# Altium PCB STM32最小系统.PcbDoc (part 1 of 4) (continued)
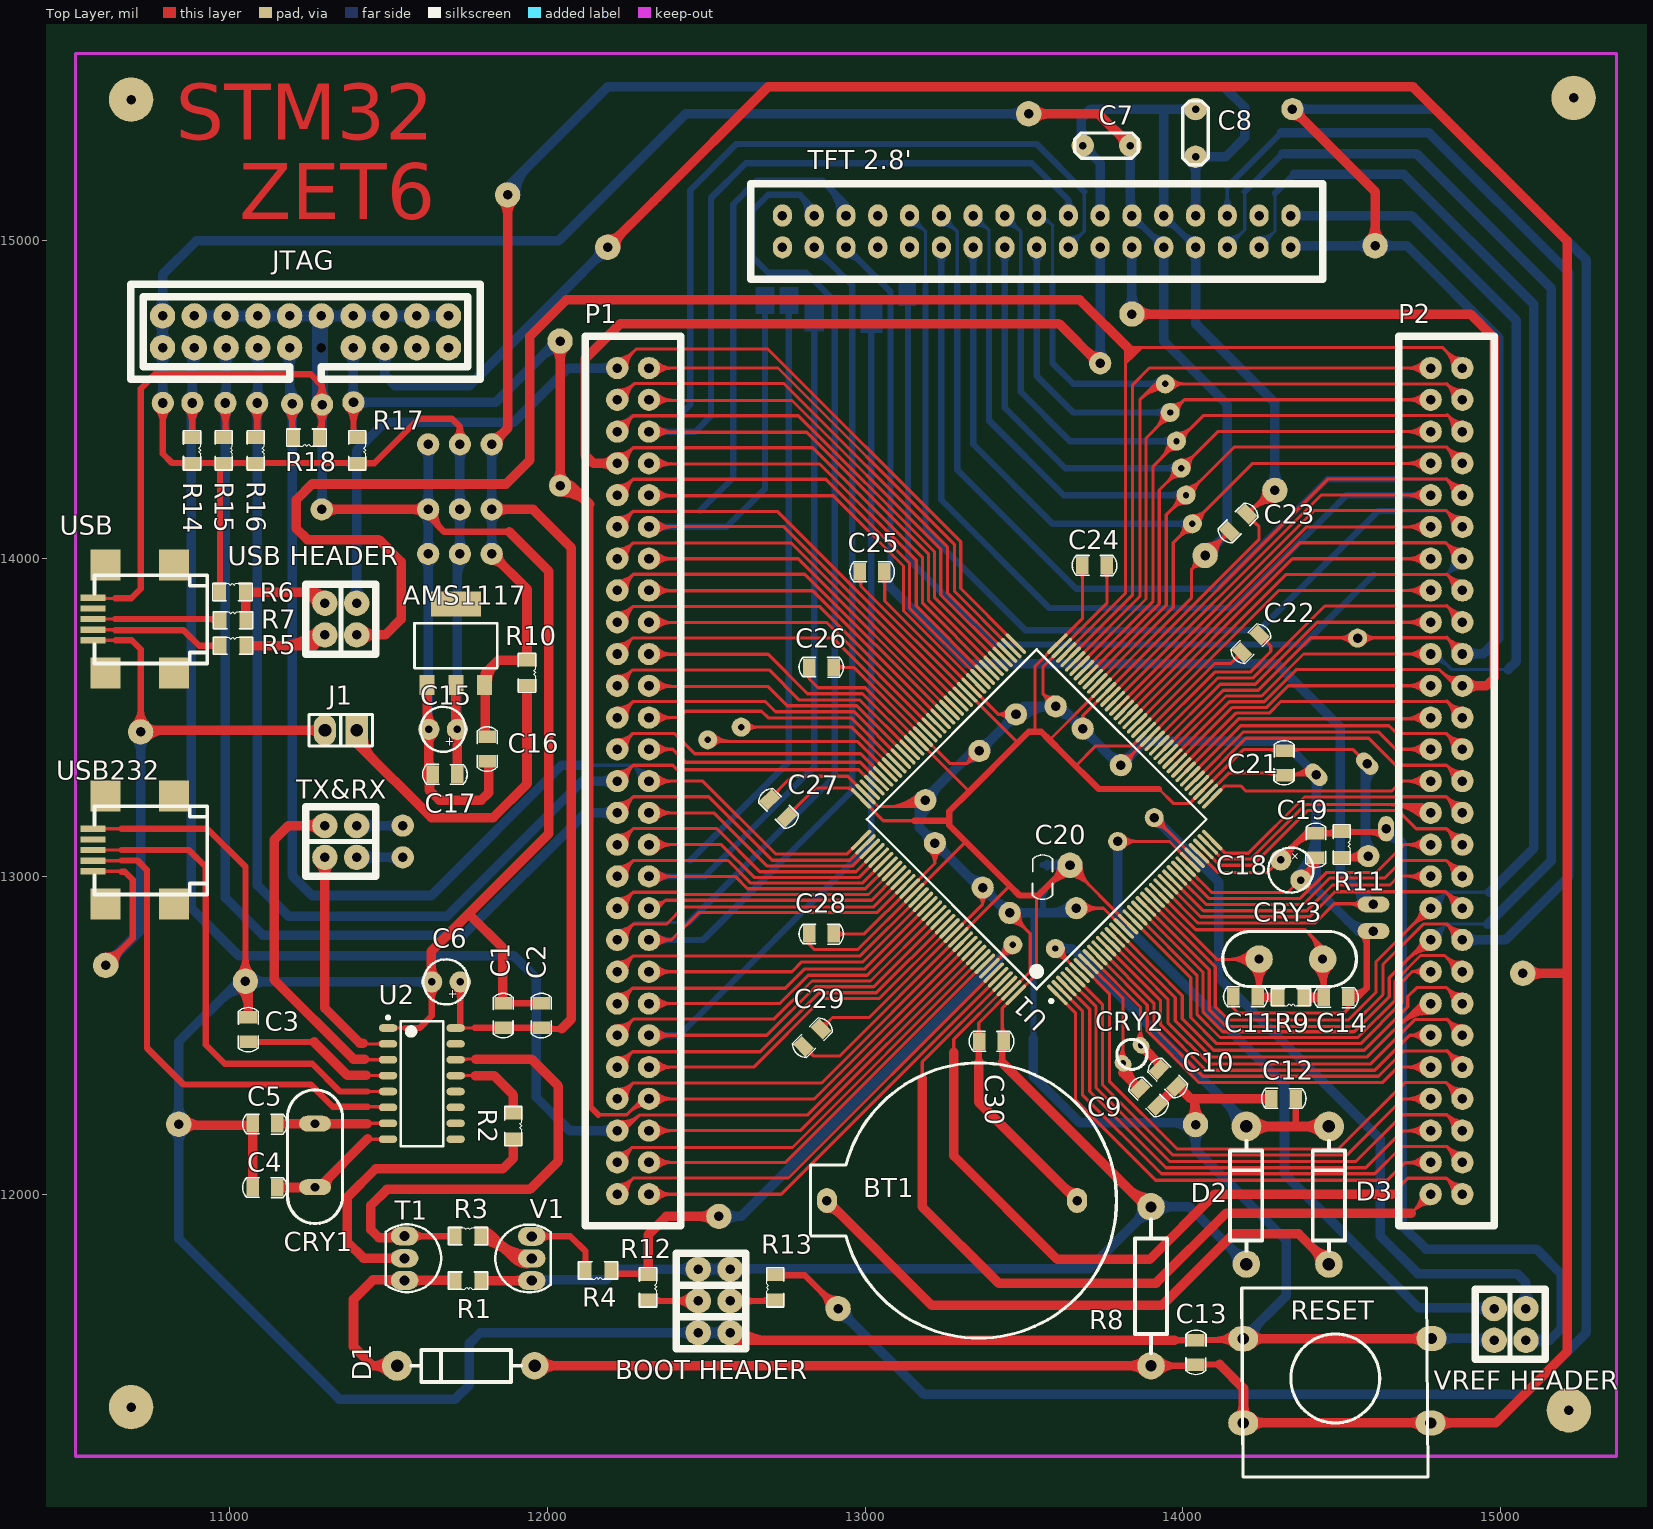
[diagram p0: Top Layer view]
## Nets (pads, with @x,y where several pads share a name; then routed paths per layer and width w, separated by ;. In a path a pad name is that pad's centre, name@x,y a point inside that pad or via, vN(x,y) a via of type N, cw(c..) or ccw(c..) an arc to the next point about the centre after c; other vN are vias at no path point) (continued)
"CH340 D+": U2.5 USB232.3 | length 1680.8
  Top Layer w10: USB232.3@10570,13083 10660,13083 10678,13083 ; 11433,12323 U2.5@11498.7,12323 ; 10611.22,13083 cw(c10611.22,13094.69) 10602.95,13086.42 ccw(c10611.22,13094.69) 10611.22,13083 ; 10611.22,13083 ccw(c10611.22,13071.31) 10602.95,13079.58 cw(c10611.22,13071.31) 10611.22,13083 ; 11464.8,12323 cw(c11464.8,12306.1) 11476.75,12318.05 ccw(c11464.8,12306.1) 11464.8,12323 ; 11464.8,12323 ccw(c11464.8,12339.9) 11476.75,12327.95 cw(c11464.8,12339.9) 11464.8,12323
  Top Layer w20: 10660,13083 10872,13083 10925,13030 10925,12470 10985,12410 11260,12410 11347,12323 11433,12323 ; U2.5@11497.7,12324 U2.5@11498.7,12323
"CH340 D-": U2.6 USB232.2 | length 1662.6
  Top Layer w10: USB232.2@10570,13049.54 10655,13049.54 ; 11435,12275 U2.6@11498.7,12275 ; 10611.22,13049.54 cw(c10611.22,13061.23) 10602.95,13052.96 ccw(c10611.22,13061.23) 10611.22,13049.54 ; 10611.22,13049.54 ccw(c10611.22,13037.84) 10602.95,13046.11 cw(c10611.22,13037.84) 10611.22,13049.54 ; 11459.97,12275 cw(c11459.97,12251.27) 11476.75,12268.05 ccw(c11459.97,12251.27) 11459.97,12275 ; 11469.63,12275 ccw(c11469.63,12285.07) 11476.75,12277.95 cw(c11469.63,12285.07) 11469.63,12275
  Top Layer w20: 10660,13050 10710,13050 10740,13020 10740,12460 10855,12345 11255,12345 11325,12275 11435,12275
"FSMC A10": "TFT 2.8'.2" P2.41 U1.56 | length 4846.4
  Top Layer w10: U1.56@13828.13,13509.89 14368.24,14050 14828,14050 14878,14000 P2.41@14900,14000 ; 14829,14049 ccw(c14875.16,14095.16) 14878.48,14029.96 cw(c14875.16,14095.16) 14829,14049 ; 14830.2,14047.8 cw(c14782.4,14000) 14850,14000 ccw(c14782.4,14000) 14830.2,14047.8 ; 14844.92,14033.08 ccw(c14876.7,14064.87) 14878.98,14019.97 cw(c14876.7,14064.87) 14844.92,14033.08 ; 14847.27,14030.73 cw(c14816.54,14000) 14860,14000 ccw(c14816.54,14000) 14847.27,14030.73
  Bottom Layer w10: 14595,13950 14600,13950 14830,13950 ; P2.41@14880,14000 14830,13950 ; 14830,13950 cw(c14878.31,13901.69) 14879.49,13970 ccw(c14878.31,13901.69) 14830,13950 ; 14830,13950 ccw(c14781.69,13998.31) 14850,13999.49 cw(c14781.69,13998.31) 14830,13950 ; 14846.67,13966.67 cw(c14878.88,13934.46) 14879.66,13980 ccw(c14878.88,13934.46) 14846.67,13966.67 ; 14846.67,13966.67 ccw(c14814.46,13998.88) 14860,13999.66 cw(c14814.46,13998.88) 14846.67,13966.67
  Bottom Layer w20: 13140,14830 13135,14825 13135,14000 13405,13730 14380,13730 14600,13950
"FSMC D0": "TFT 2.8'.6" P1.44 U1.85 | length 4119.7
  Top Layer w10: P1.44@12220,14100 12221,14100 12270,14149 ; U1.85@13307.55,13565.57 12724.11,14149 12270,14149 ; 12270,14149 cw(c12223.94,14195.06) 12221.24,14129.97 ccw(c12223.94,14195.06) 12270,14149 ; 12270,14149 ccw(c12318.28,14100.71) 12250,14100.22 cw(c12318.28,14100.71) 12270,14149 ; P1.44@12220.83,14119.98 ccw(c12222.66,14164.1) 12253.88,14132.88 cw(c12222.66,14164.1) P1.44@12220.83,14119.98 ; P1.44@12240,14100.15 cw(c12284.73,14100.47) 12253.1,14132.1 ccw(c12284.73,14100.47) P1.44@12240,14100.15
  Bottom Layer w10: P1.44@12220,14100 12270,14150 ; 12480,14150 12270,14150 ; 12253.33,14133.33 cw(c12221.12,14165.54) 12220.34,14120 ccw(c12221.12,14165.54) 12253.33,14133.33 ; 12253.33,14133.33 ccw(c12285.54,14101.12) 12240,14100.34 cw(c12285.54,14101.12) 12253.33,14133.33 ; 12270,14150 cw(c12221.69,14198.31) 12220.51,14130 ccw(c12221.69,14198.31) 12270,14150 ; 12270,14150 ccw(c12318.31,14101.69) 12250,14100.51 cw(c12318.31,14101.69) 12270,14150
  Bottom Layer w20: 12480,14150 12585,14255 12585,15115 12660,15190 12865,15190 12940,15115 12940,15080 ; 12884.64,15170.36 cw(c12799.29,15085) 12920,15085 ccw(c12799.29,15085) 12884.64,15170.36 ; 12918.79,15136.21 cw(c12867.57,15085) 12940,15085 ccw(c12867.57,15085) 12918.79,15136.21
"FSMC D1": "TFT 2.8'.7" P1.43 U1.86 | length 2774.7
  Top Layer w10: P1.43@12320,14101 12744.27,14101 U1.86@13293.63,13551.65 ; P1.43@12334.14,14085.86 cw(c12370.7,14049.3) 12370.7,14101 ccw(c12370.7,14049.3) P1.43@12334.14,14085.86 ; P1.43@12334.14,14114.14 ccw(c12365.87,14145.87) 12365.87,14101 cw(c12365.87,14145.87) P1.43@12334.14,14114.14 ; P1.43@12341.21,14078.79 cw(c12394.84,14025.16) 12394.84,14101 ccw(c12394.84,14025.16) P1.43@12341.21,14078.79 ; P1.43@12341.21,14121.21 ccw(c12390.01,14170.01) 12390.01,14101 cw(c12390.01,14170.01) P1.43@12341.21,14121.21
  Bottom Layer w20: P1.43@12320,14100 12565,14100 12685,14220 12685,14810 ; 12380.36,14100 cw(c12380.36,14160.36) 12337.68,14117.68 ccw(c12380.36,14160.36) 12380.36,14100 ; 12380.36,14100 ccw(c12380.36,14039.64) 12337.68,14082.32 cw(c12380.36,14039.64) 12380.36,14100
"FSMC D2": "TFT 2.8'.8" P1.22 U1.114 | length 3784.7
  Top Layer w10: P1.22@12220,13000 12270,13050 ; U1.114@13057,13044.98 12991.01,12979 12640,12979 12569,13050 12270,13050 ; 12253.33,13033.33 cw(c12221.12,13065.54) 12220.34,13020 ccw(c12221.12,13065.54) 12253.33,13033.33 ; 12253.33,13033.33 ccw(c12285.54,13001.12) 12240,13000.34 cw(c12285.54,13001.12) 12253.33,13033.33 ; 12270,13050 cw(c12221.69,13098.31) 12220.51,13030 ccw(c12221.69,13098.31) 12270,13050 ; 12270,13050 ccw(c12318.31,13001.69) 12250,13000.51 cw(c12318.31,13001.69) 12270,13050
  Bottom Layer w10: P1.22@12220,13000 12270,13050 ; 12450,13050 12270,13050 ; 12253.33,13033.33 cw(c12221.12,13065.54) 12220.34,13020 ccw(c12221.12,13065.54) 12253.33,13033.33 ; 12253.33,13033.33 ccw(c12285.54,13001.12) 12240,13000.34 cw(c12285.54,13001.12) 12253.33,13033.33 ; 12270,13050 cw(c12221.69,13098.31) 12220.51,13030 ccw(c12221.69,13098.31) 12270,13050 ; 12270,13050 ccw(c12318.31,13001.69) 12250,13000.51 cw(c12318.31,13001.69) 12270,13050
  Bottom Layer w20: 12450,13050 12760,13360 12760,14810
"FSMC D3": "TFT 2.8'.9" P1.21 U1.115 | length 3442.8
  Top Layer w10: P1.21@12320,13000 12591,13000 12630,12961 13000.85,12961 U1.115@13070.92,13031.06 ; 12368.28,13000 cw(c12368.28,13048.28) 12334.14,13014.14 ccw(c12368.28,13048.28) 12368.28,13000 ; 12368.28,13000 ccw(c12368.28,12951.72) 12334.14,12985.86 cw(c12368.28,12951.72) 12368.28,13000 ; 12392.43,13000 cw(c12392.43,13072.43) 12341.21,13021.21 ccw(c12392.43,13072.43) 12392.43,13000 ; 12392.43,13000 ccw(c12392.43,12927.57) 12341.21,12978.79 cw(c12392.43,12927.57) 12392.43,13000
  Bottom Layer w20: P1.21@12320,13000 12495,13000 12840,13345 12840,14760 ; 12380.36,13000 cw(c12380.36,13060.36) 12337.68,13017.68 ccw(c12380.36,13060.36) 12380.36,13000 ; 12380.36,13000 ccw(c12380.36,12939.64) 12337.68,12982.32 cw(c12380.36,12939.64) 12380.36,13000
"FSMC D4": "TFT 2.8'.10" P2.43 U1.58 | length 5394.1
  Top Layer w10: U1.58@13800.29,13537.73 14414.56,14152 14828,14152 P2.43@14880,14100 P2.43@14901,14100 ; 14828.79,14151.21 cw(c14777.57,14100) 14850,14100 ccw(c14777.57,14100) 14828.79,14151.21 ; 14828.79,14151.21 ccw(c14880,14202.43) 14880,14130 cw(c14880,14202.43) 14828.79,14151.21 ; 14845.86,14134.14 cw(c14811.72,14100) 14860,14100 ccw(c14811.72,14100) 14845.86,14134.14 ; 14845.86,14134.14 ccw(c14880,14168.28) 14880,14120 cw(c14880,14168.28) 14845.86,14134.14
  Bottom Layer w10: 13140,15080 13190,15030 13190,14860 ; 14680,14150 14830,14150 ; P2.43@14880,14100 14830,14150 ; 14830,14150 cw(c14781.69,14101.69) 14850,14100.51 ccw(c14781.69,14101.69) 14830,14150 ; 14830,14150 ccw(c14878.31,14198.31) 14879.49,14130 cw(c14878.31,14198.31) 14830,14150 ; 14846.67,14133.33 cw(c14814.46,14101.12) 14860,14100.34 ccw(c14814.46,14101.12) 14846.67,14133.33 ; 14846.67,14133.33 ccw(c14878.88,14165.54) 14879.66,14120 cw(c14878.88,14165.54) 14846.67,14133.33 ; 13140,15050 cw(c13140,14977.57) 13191.21,15028.79 ccw(c13140,14977.57) 13140,15050 ; 13140,15060 cw(c13140,15011.72) 13174.14,15045.86 ccw(c13140,15011.72) 13140,15060 ; 13165,15075 ccw(c13213.28,15075) 13179.14,15040.86 cw(c13213.28,15075) 13165,15075
  Bottom Layer w20: 13190,14860 13190,14090 13505,13775 14240,13775 14615,14150 14680,14150
"FSMC D5": "TFT 2.8'.11" P2.46 U1.59 | length 4627.2
  Top Layer w10: U1.59@13786,13550 13786,13551 14435,14200 P2.46@14800,14200 ; 14707.57,14200 cw(c14707.57,14127.57) 14758.79,14178.79 ccw(c14707.57,14127.57) 14707.57,14200 ; 14707.57,14200 ccw(c14707.57,14272.43) 14758.79,14221.21 cw(c14707.57,14272.43) 14707.57,14200 ; 14731.72,14200 cw(c14731.72,14151.72) 14765.86,14185.86 ccw(c14731.72,14151.72) 14731.72,14200 ; 14731.72,14200 ccw(c14731.72,14248.28) 14765.86,14214.14 cw(c14731.72,14248.28) 14731.72,14200
  Bottom Layer w20: 13240,14980 13240,14185 13580,13845 14160,13845 14515,14200 P2.46@14780,14200 ; 13240,14926.72 cw(c13288.28,14926.72) 13254.14,14960.86 ccw(c13288.28,14926.72) 13240,14926.72 ; 13240,14926.72 ccw(c13191.72,14926.72) 13225.86,14960.86 cw(c13191.72,14926.72) 13240,14926.72 ; 14719.64,14200 cw(c14719.64,14139.64) 14762.32,14182.32 ccw(c14719.64,14139.64) 14719.64,14200 ; 14719.64,14200 ccw(c14719.64,14260.36) 14762.32,14217.68 cw(c14719.64,14260.36) 14719.64,14200
"FSMC D6": "TFT 2.8'.12" P2.45 U1.60 | length 5169.5
  Top Layer w10: U1.60@13772.45,13565.57 14457.89,14251 14830,14251 14881,14200 P2.45@14900,14200 ; 14829.5,14251.5 cw(c14779.97,14201.97) 14850.01,14200.59 ccw(c14779.97,14201.97) 14829.5,14251.5 ; 14830.49,14250.51 ccw(c14880,14300.01) 14880,14230 cw(c14880,14300.01) 14830.49,14250.51 ; 14846.11,14234.89 cw(c14812.55,14201.33) 14860,14200.39 ccw(c14812.55,14201.33) 14846.11,14234.89 ; 14847.56,14233.44 ccw(c14880,14265.87) 14880,14220 cw(c14880,14265.87) 14847.56,14233.44
  Bottom Layer w10: 13240,15080 13290,15030 13290,14865 ; 14680,14250 14830,14250 ; P2.45@14880,14200 14830,14250 ; 14830,14250 cw(c14781.69,14201.69) 14850,14200.51 ccw(c14781.69,14201.69) 14830,14250 ; 14830,14250 ccw(c14878.31,14298.31) 14879.49,14230 cw(c14878.31,14298.31) 14830,14250 ; 14846.67,14233.33 cw(c14814.46,14201.12) 14860,14200.34 ccw(c14814.46,14201.12) 14846.67,14233.33 ; 14846.67,14233.33 ccw(c14878.88,14265.54) 14879.66,14220 cw(c14878.88,14265.54) 14846.67,14233.33 ; 13240,15050 cw(c13240,14977.57) 13291.21,15028.79 ccw(c13240,14977.57) 13240,15050 ; 13240,15060 cw(c13240,15011.72) 13274.14,15045.86 ccw(c13240,15011.72) 13240,15060 ; 13265,15075 ccw(c13313.28,15075) 13279.14,15040.86 cw(c13313.28,15075) 13265,15075
  Bottom Layer w20: 13290,14865 13290,14280 13665,13905 14110,13905 14455,14250 14680,14250 14680,14245
"FSMC D7": "TFT 2.8'.13" P2.48 pad.7@14030,14110 U1.63 | length 4178.3
  Top Layer w10: U1.63@13730.7,13607.33 13970,13846.63 13970,14050 14220,14300 P2.48@14800,14300 ; 13987.32,14067.32 cw(c14030,14024.64) 14030,14085 ccw(c14030,14024.64) 13987.32,14067.32 ; 13987.32,14067.32 ccw(c13944.64,14110) 14005,14110 cw(c13944.64,14110) 13987.32,14067.32 ; 14004.39,14084.39 cw(c14030,14058.79) 14030,14095 ccw(c14030,14058.79) 14004.39,14084.39 ; 14004.39,14084.39 ccw(c13978.79,14110) 14015,14110 cw(c13978.79,14110) 14004.39,14084.39 ; 14055.61,14135.61 cw(c14030,14161.21) 14030,14125 ccw(c14030,14161.21) 14055.61,14135.61 ; 14055.61,14135.61 ccw(c14081.21,14110) 14045,14110 cw(c14081.21,14110) 14055.61,14135.61 ; 14072.68,14152.68 cw(c14030,14195.36) 14030,14135 ccw(c14030,14195.36) 14072.68,14152.68 ; 14072.68,14152.68 ccw(c14115.36,14110) 14055,14110 cw(c14115.36,14110) 14072.68,14152.68 ; 14707.57,14300 cw(c14707.57,14227.57) 14758.79,14278.79 ccw(c14707.57,14227.57) 14707.57,14300 ; 14707.57,14300 ccw(c14707.57,14372.43) 14758.79,14321.21 cw(c14707.57,14372.43) 14707.57,14300 ; 14731.72,14300 cw(c14731.72,14251.72) 14765.86,14285.86 ccw(c14731.72,14251.72) 14731.72,14300 ; 14731.72,14300 ccw(c14731.72,14348.28) 14765.86,14314.14 cw(c14731.72,14348.28) 14731.72,14300
  Bottom Layer w20: 13340,14980 13340,14360 13590,14110 pad.7@14030,14110 ; 13340,14926.72 cw(c13388.28,14926.72) 13354.14,14960.86 ccw(c13388.28,14926.72) 13340,14926.72 ; 13340,14926.72 ccw(c13291.72,14926.72) 13325.86,14960.86 cw(c13291.72,14926.72) 13340,14926.72 ; 13981.72,14110 cw(c13981.72,14061.72) 14015.86,14095.86 ccw(c13981.72,14061.72) 13981.72,14110 ; 13981.72,14110 ccw(c13981.72,14158.28) 14015.86,14124.14 cw(c13981.72,14158.28) 13981.72,14110
"FSMC D8": "TFT 2.8'.14" P2.47 pad.6@14010,14200 U1.64 | length 4432.9
  Top Layer w10: U1.64@13716,13621 13948,13853 13948,14138 14161,14351 14830,14351 14881,14300 P2.47@14900,14300 ; 13967.32,14157.32 cw(c14010,14114.64) 14010,14175 ccw(c14010,14114.64) 13967.32,14157.32 ; 13967.32,14157.32 ccw(c13924.64,14200) 13985,14200 cw(c13924.64,14200) 13967.32,14157.32 ; 13984.39,14174.39 cw(c14010,14148.79) 14010,14185 ccw(c14010,14148.79) 13984.39,14174.39 ; 13984.39,14174.39 ccw(c13958.79,14200) 13995,14200 cw(c13958.79,14200) 13984.39,14174.39 ; 14035.61,14225.61 cw(c14010,14251.21) 14010,14215 ccw(c14010,14251.21) 14035.61,14225.61 ; 14035.61,14225.61 ccw(c14061.21,14200) 14025,14200 cw(c14061.21,14200) 14035.61,14225.61 ; 14052.68,14242.68 cw(c14010,14285.36) 14010,14225 ccw(c14010,14285.36) 14052.68,14242.68 ; 14052.68,14242.68 ccw(c14095.36,14200) 14035,14200 cw(c14095.36,14200) 14052.68,14242.68 ; 14829.5,14351.5 cw(c14779.97,14301.97) 14850.01,14300.59 ccw(c14779.97,14301.97) 14829.5,14351.5 ; 14830.49,14350.51 ccw(c14880,14400.01) 14880,14330 cw(c14880,14400.01) 14830.49,14350.51 ; 14846.11,14334.89 cw(c14812.55,14301.33) 14860,14300.39 ccw(c14812.55,14301.33) 14846.11,14334.89 ; 14847.56,14333.44 ccw(c14880,14365.87) 14880,14320 cw(c14880,14365.87) 14847.56,14333.44
  Bottom Layer w10: 13340,15075 13350,15075 13390,15035 13390,14880 ; 13340.99,15060.03 cw(c13344.28,15010.47) 13379.41,15045.59 ccw(c13344.28,15010.47) 13340.99,15060.03 ; 13341.66,15050.05 cw(c13346.22,14981.23) 13389.77,15034.72 ccw(c13346.22,14981.23) 13341.66,15050.05 ; 13365,15075 ccw(c13401.21,15075) 13375.61,15049.39 cw(c13401.21,15075) 13365,15075
  Bottom Layer w20: 13390,14880 13390,14435 13625,14200 pad.6@14010,14200 ; 13961.72,14200 cw(c13961.72,14151.72) 13995.86,14185.86 ccw(c13961.72,14151.72) 13961.72,14200 ; 13961.72,14200 ccw(c13961.72,14248.28) 13995.86,14214.14 cw(c13961.72,14248.28) 13961.72,14200
"FSMC D9": "TFT 2.8'.15" P2.50 pad.5@13995,14285 U1.65 | length 4051.3
  Top Layer w10: U1.65@13702.86,13635.17 13926.35,13858.65 ; 13926,13859 13926,14216 14110,14400 P2.50@14800,14400 ; 13952.32,14242.32 cw(c13995,14199.64) 13995,14260 ccw(c13995,14199.64) 13952.32,14242.32 ; 13952.32,14242.32 ccw(c13909.64,14285) 13970,14285 cw(c13909.64,14285) 13952.32,14242.32 ; 13969.39,14259.39 cw(c13995,14233.79) 13995,14270 ccw(c13995,14233.79) 13969.39,14259.39 ; 13969.39,14259.39 ccw(c13943.79,14285) 13980,14285 cw(c13943.79,14285) 13969.39,14259.39 ; 14020.61,14310.61 cw(c13995,14336.21) 13995,14300 ccw(c13995,14336.21) 14020.61,14310.61 ; 14020.61,14310.61 ccw(c14046.21,14285) 14010,14285 cw(c14046.21,14285) 14020.61,14310.61 ; 14037.68,14327.68 cw(c13995,14370.36) 13995,14310 ccw(c13995,14370.36) 14037.68,14327.68 ; 14037.68,14327.68 ccw(c14080.36,14285) 14020,14285 cw(c14080.36,14285) 14037.68,14327.68 ; 14707.57,14400 cw(c14707.57,14327.57) 14758.79,14378.79 ccw(c14707.57,14327.57) 14707.57,14400 ; 14707.57,14400 ccw(c14707.57,14472.43) 14758.79,14421.21 cw(c14707.57,14472.43) 14707.57,14400 ; 14731.72,14400 cw(c14731.72,14351.72) 14765.86,14385.86 ccw(c14731.72,14351.72) 14731.72,14400 ; 14731.72,14400 ccw(c14731.72,14448.28) 14765.86,14414.14 cw(c14731.72,14448.28) 14731.72,14400
  Bottom Layer w20: 13440,14980 13440,14475 13630,14285 pad.5@13995,14285 ; 13440,14926.72 cw(c13488.28,14926.72) 13454.14,14960.86 ccw(c13488.28,14926.72) 13440,14926.72 ; 13440,14926.72 ccw(c13391.72,14926.72) 13425.86,14960.86 cw(c13391.72,14926.72) 13440,14926.72 ; 13946.72,14285 cw(c13946.72,14236.72) 13980.86,14270.86 ccw(c13946.72,14236.72) 13946.72,14285 ; 13946.72,14285 ccw(c13946.72,14333.28) 13980.86,14299.14 cw(c13946.72,14333.28) 13946.72,14285
"FSMC D10": "TFT 2.8'.16" P2.49 pad.4@13980,14370 U1.66 | length 4239.6
  Top Layer w10: U1.66@13686,13646 13906.5,13866.5 13906.5,14291.5 14066,14451 14834,14451 14885,14400 P2.49@14900,14400 ; 13933.79,14318.79 ccw(c13882.57,14370) 13955,14370 cw(c13882.57,14370) 13933.79,14318.79 ; 13945.86,14330.86 cw(c13980,14296.72) 13980,14345 ccw(c13980,14296.72) 13945.86,14330.86 ; 13950.86,14335.86 ccw(c13916.72,14370) 13965,14370 cw(c13916.72,14370) 13950.86,14335.86 ; pad.4@13980,14385 ccw(c13980,14433.28) 14014.14,14399.14 cw(c13980,14433.28) pad.4@13980,14385 ; pad.4@13980,14395 ccw(c13980,14467.43) 14031.21,14416.21 cw(c13980,14467.43) pad.4@13980,14395 ; pad.4@14005,14370 cw(c14053.28,14370) 14019.14,14404.14 ccw(c14053.28,14370) pad.4@14005,14370 ; 14831.5,14453.5 cw(c14786.02,14408.02) 14850.11,14402.55 ccw(c14786.02,14408.02) 14831.5,14453.5 ; 14837.32,14447.68 ccw(c14880,14490.36) 14880,14430 cw(c14880,14490.36) 14837.32,14447.68 ; 14846.71,14438.29 cw(c14814.05,14405.63) 14860.07,14401.7 ccw(c14814.05,14405.63) 14846.71,14438.29 ; 14854.39,14430.61 ccw(c14880,14456.21) 14880,14420 cw(c14880,14456.21) 14854.39,14430.61
  Bottom Layer w10: 13440,15080 13490,15030 13490,14880 ; 13440,15050 cw(c13440,14977.57) 13491.21,15028.79 ccw(c13440,14977.57) 13440,15050 ; 13440,15060 cw(c13440,15011.72) 13474.14,15045.86 ccw(c13440,15011.72) 13440,15060 ; 13465,15075 ccw(c13513.28,15075) 13479.14,15040.86 cw(c13513.28,15075) 13465,15075
  Bottom Layer w20: 13490,14880 13490,14525 13645,14370 pad.4@13980,14370 ; 13931.72,14370 cw(c13931.72,14321.72) 13965.86,14355.86 ccw(c13931.72,14321.72) 13931.72,14370 ; 13931.72,14370 ccw(c13931.72,14418.28) 13965.86,14384.14 cw(c13931.72,14418.28) 13931.72,14370
"FSMC D11": "TFT 2.8'.17" P2.52 pad.3@13960,14460 U1.67 | length 3821.6
  Top Layer w10: U1.67@13674,13663 13884,13873 13884,14379 14005,14500 ; P2.52@14800,14500 14005,14500 ; 14005,14500 cw(c13967.83,14537.16) 13962.52,14484.87 ccw(c13967.83,14537.16) 14005,14500 ; 14707.57,14500 cw(c14707.57,14427.57) 14758.79,14478.79 ccw(c14707.57,14427.57) 14707.57,14500 ; 14707.57,14500 ccw(c14707.57,14572.43) 14758.79,14521.21 cw(c14707.57,14572.43) 14707.57,14500 ; 14731.72,14500 cw(c14731.72,14451.72) 14765.86,14485.86 ccw(c14731.72,14451.72) 14731.72,14500 ; 14731.72,14500 ccw(c14731.72,14548.28) 14765.86,14514.14 cw(c14731.72,14548.28) 14731.72,14500 ; 13913.79,14408.79 ccw(c13862.57,14460) 13935,14460 cw(c13862.57,14460) 13913.79,14408.79 ; 13925.86,14420.86 cw(c13960,14386.72) 13960,14435 ccw(c13960,14386.72) 13925.86,14420.86 ; 13930.86,14425.86 ccw(c13896.72,14460) 13945,14460 cw(c13896.72,14460) 13930.86,14425.86 ; pad.3@13961.51,14474.92 ccw(c13965.09,14510.12) 13990.1,14485.1 cw(c13965.09,14510.12) pad.3@13961.51,14474.92 ; pad.3@13985,14460 cw(c14033.28,14460) 13999.14,14494.14 ccw(c14033.28,14460) pad.3@13985,14460
  Bottom Layer w20: 13540,14980 13540,14575 13655,14460 pad.3@13960,14460 ; 13540,14926.72 cw(c13588.28,14926.72) 13554.14,14960.86 ccw(c13588.28,14926.72) 13540,14926.72 ; 13540,14926.72 ccw(c13491.72,14926.72) 13525.86,14960.86 cw(c13491.72,14926.72) 13540,14926.72 ; 13911.72,14460 cw(c13911.72,14411.72) 13945.86,14445.86 ccw(c13911.72,14411.72) 13911.72,14460 ; 13911.72,14460 ccw(c13911.72,14508.28) 13945.86,14474.14 cw(c13911.72,14508.28) 13911.72,14460
"FSMC D12": "TFT 2.8'.18" P2.51 pad.2@13945,14550 U1.68 | length 4272.5
  Top Layer w10: U1.68@13661.1,13676.92 13865.09,13880.91 13865.09,14500.09 13915,14550 14831,14550 14882,14499 P2.51@14900,14499 ; 13981.21,14550 cw(c13981.21,14586.21) 13955.61,14560.61 ccw(c13981.21,14586.21) 13981.21,14550 ; 13981.21,14550 ccw(c13981.21,14513.79) 13955.61,14539.39 cw(c13981.21,14513.79) 13981.21,14550 ; 14005.36,14550 cw(c14005.36,14610.36) 13962.68,14567.68 ccw(c14005.36,14610.36) 14005.36,14550 ; 14005.36,14550 ccw(c14005.36,14489.64) 13962.68,14532.32 cw(c14005.36,14489.64) 14005.36,14550 ; 14830.5,14550.5 cw(c14783.3,14503.29) 14850.02,14501.02 ccw(c14783.3,14503.29) 14830.5,14550.5 ; 14830.5,14550.5 ccw(c14879.99,14599.98) 14880,14530 cw(c14879.99,14599.98) 14830.5,14550.5 ; 13868.18,14503.18 cw(c13945,14426.36) 13945,14535 ccw(c13945,14426.36) 13868.18,14503.18 ; 13885.25,14520.25 cw(c13945,14460.5) 13945,14545 ccw(c13945,14460.5) 13885.25,14520.25 ; 13902.32,14537.32 cw(c13945,14494.64) 13945,14555 ccw(c13945,14494.64) 13902.32,14537.32 ; 14846.78,14534.22 cw(c14814.79,14502.22) 14860.01,14500.68 ccw(c14814.79,14502.22) 14846.78,14534.22 ; 14847.57,14533.43 ccw(c14879.99,14565.85) 14880,14520 cw(c14879.99,14565.85) 14847.57,14533.43
  Bottom Layer w10: 13540,15100 13590,15050 13590,14885 ; 13541.48,15070.22 cw(c13552.58,15034.44) 13579.07,15060.93 ccw(c13552.58,15034.44) 13541.48,15070.22 ; 13544.44,15060.67 cw(c13558.12,15016.56) 13590.78,15049.22 ccw(c13558.12,15016.56) 13544.44,15060.67
  Bottom Layer w20: 13590,14885 13590,14615 13655,14550 pad.2@13945,14550 ; 13896.72,14550 cw(c13896.72,14501.72) 13930.86,14535.86 ccw(c13896.72,14501.72) 13896.72,14550 ; 13896.72,14550 ccw(c13896.72,14598.28) 13930.86,14564.14 cw(c13896.72,14598.28) 13896.72,14550
"FSMC D13": "TFT 2.8'.19" P1.50 U1.77 | length 5075.9
  Top Layer w10: P1.50@12220,14400 12270,14450 ; U1.77@13418.9,13676.92 13219,13876.82 13219,14021 12790,14450 12270,14450 ; 12253.33,14433.33 cw(c12221.12,14465.54) 12220.34,14420 ccw(c12221.12,14465.54) 12253.33,14433.33 ; 12253.33,14433.33 ccw(c12285.54,14401.12) 12240,14400.34 cw(c12285.54,14401.12) 12253.33,14433.33 ; 12270,14450 cw(c12221.69,14498.31) 12220.51,14430 ccw(c12221.69,14498.31) 12270,14450 ; 12270,14450 ccw(c12318.31,14401.69) 12250,14400.51 cw(c12318.31,14401.69) 12270,14450
  Bottom Layer w10: P1.50@12215,14400 12265,14450 ; 12415,14450 12265,14450 ; 13640,14980 13690,15030 ; 13690,15155 13690,15030 ; 12265,14450 ccw(c12303.21,14411.78) 12249.7,14404.21 cw(c12303.21,14411.78) 12265,14450 ; 13690,15030 cw(c13641.68,15078.31) 13640.45,15010 ccw(c13641.68,15078.31) 13690,15030 ; P1.50@12220,14420 ccw(c12220,14456.21) 12245.61,14430.61 cw(c12220,14456.21) P1.50@12220,14420 ; P1.50@12220,14430 ccw(c12220,14490.36) 12262.68,14447.68 cw(c12220,14490.36) P1.50@12220,14430 ; P1.50@12239.8,14402.8 cw(c12278.4,14408.27) 12250.83,14435.83 ccw(c12278.4,14408.27) P1.50@12239.8,14402.8 ; 13640.27,15000 ccw(c13641.09,15045.61) 13673.35,15013.35 cw(c13641.09,15045.61) 13640.27,15000 ; 13665,14985 cw(c13713.28,14985) 13679.14,15019.14 ccw(c13713.28,14985) 13665,14985
  Bottom Layer w20: 12415,14450 12450,14485 12450,15160 12595,15305 13540,15305 13690,15155
"FSMC D14": "TFT 2.8'.20" P1.49 U1.78 | length 4348.6
  Top Layer w10: P1.49@12320,14398 12816,14398 13200,14014 13200,13867.99 U1.78@13404.98,13663 ; P1.49@12334.14,14385.86 cw(c12363.46,14356.54) 12363.46,14398 ccw(c12363.46,14356.54) P1.49@12334.14,14385.86 ; P1.49@12334.14,14414.14 ccw(c12373.11,14453.11) 12373.11,14398 cw(c12373.11,14453.11) P1.49@12334.14,14414.14 ; P1.49@12341.21,14378.79 cw(c12387.6,14332.4) 12387.6,14398 ccw(c12387.6,14332.4) P1.49@12341.21,14378.79 ; P1.49@12341.21,14421.21 ccw(c12397.25,14477.25) 12397.25,14398 cw(c12397.25,14477.25) P1.49@12341.21,14421.21
  Bottom Layer w20: P1.49@12320,14400 12465,14400 12515,14450 12515,15135 12625,15245 13525,15245 13640,15130 ; 13640,15080 13640,15130 ; 12380.36,14400 cw(c12380.36,14460.36) 12337.68,14417.68 ccw(c12380.36,14460.36) 12380.36,14400 ; 12380.36,14400 ccw(c12380.36,14339.64) 12337.68,14382.32 cw(c12380.36,14339.64) 12380.36,14400 ; 13640,15130 cw(c13599.38,15130) 13626.6,15099.85 ccw(c13599.38,15130) 13640,15130 ; 13640,15130 ccw(c13680.62,15130) 13653.4,15099.85 cw(c13680.62,15130) 13640,15130
"FSMC D15": "TFT 2.8'.21" P1.48 pad.12@13740,14615 U1.79 | length 5002
  Top Layer w10: P1.48@12220,14300 12221,14300 12270,14349 ; U1.79@13391.06,13649.08 13181,13859.15 13181,14003 12835,14349 12270,14349 ; 12270,14349 cw(c12223.94,14395.06) 12221.24,14329.97 ccw(c12223.94,14395.06) 12270,14349 ; 12270,14349 ccw(c12318.28,14300.71) 12250,14300.22 cw(c12318.28,14300.71) 12270,14349 ; P1.48@12220.83,14319.98 ccw(c12222.66,14364.1) 12253.88,14332.88 cw(c12222.66,14364.1) P1.48@12220.83,14319.98 ; P1.48@12240,14300.15 cw(c12284.73,14300.47) 12253.1,14332.1 ccw(c12284.73,14300.47) P1.48@12240,14300.15
  Top Layer w30: P1.48@12220,14300 12145,14300 12120,14325 12120,14630 12230,14740 13610,14740 13735,14615 pad.12@13750,14615 ; 12171.72,14300 cw(c12171.72,14251.72) 12205.86,14285.86 ccw(c12171.72,14251.72) 12171.72,14300 ; 12171.72,14300 ccw(c12171.72,14348.28) 12205.86,14314.14 cw(c12171.72,14348.28) 12171.72,14300 ; 13697.32,14652.68 ccw(c13740,14695.36) 13740,14635 cw(c13740,14695.36) 13697.32,14652.68 ; 13709.39,14640.61 cw(c13683.79,14615) 13720,14615 ccw(c13683.79,14615) 13709.39,14640.61
  Bottom Layer w30: pad.12@13740,14615 13740,14980 ; 13740,14663.28 cw(c13691.72,14663.28) 13725.86,14629.14 ccw(c13691.72,14663.28) 13740,14663.28 ; 13740,14663.28 ccw(c13788.28,14663.28) 13754.14,14629.14 cw(c13788.28,14663.28) 13740,14663.28 ; 13740,14938.79 cw(c13776.21,14938.79) 13750.61,14964.39 ccw(c13776.21,14938.79) 13740,14938.79 ; 13740,14938.79 ccw(c13703.79,14938.79) 13729.39,14964.39 cw(c13703.79,14938.79) 13740,14938.79
"FSMC NE4": "TFT 2.8'.1" P1.11 U1.127 | length 4258.2
  Top Layer w10: P1.11@12320,12500 12691,12500 12844,12653 13026.92,12653 U1.127@13237.95,12864.03 ; 12368.28,12500 cw(c12368.28,12548.28) 12334.14,12514.14 ccw(c12368.28,12548.28) 12368.28,12500 ; 12368.28,12500 ccw(c12368.28,12451.72) 12334.14,12485.86 cw(c12368.28,12451.72) 12368.28,12500 ; 12392.43,12500 cw(c12392.43,12572.43) 12341.21,12521.21 ccw(c12392.43,12572.43) 12392.43,12500 ; 12392.43,12500 ccw(c12392.43,12427.57) 12341.21,12478.79 cw(c12392.43,12427.57) 12392.43,12500
  Bottom Layer w20: P1.11@12320,12500 12415,12500 13020,13105 13020,13235 13020,14775 ; 12380.36,12500 cw(c12380.36,12560.36) 12337.68,12517.68 ccw(c12380.36,12560.36) 12380.36,12500 ; 12380.36,12500 ccw(c12380.36,12439.64) 12337.68,12482.32 cw(c12380.36,12439.64) 12380.36,12500
"FSMC NOE": "TFT 2.8'.4" P1.18 U1.118 | length 4959.2
  Top Layer w10: P1.18@12220,12800 12270,12850 ; U1.118@13112.67,12989.3 13027.37,12904 12429,12904 12375,12850 12270,12850 ; 12253.33,12833.33 cw(c12221.12,12865.54) 12220.34,12820 ccw(c12221.12,12865.54) 12253.33,12833.33 ; 12253.33,12833.33 ccw(c12285.54,12801.12) 12240,12800.34 cw(c12285.54,12801.12) 12253.33,12833.33 ; 12270,12850 cw(c12221.69,12898.31) 12220.51,12830 ccw(c12221.69,12898.31) 12270,12850 ; 12270,12850 ccw(c12318.31,12801.69) 12250,12800.51 cw(c12318.31,12801.69) 12270,12850
  Bottom Layer w10: P1.18@12220,12800 12275,12855 12445,12855 ; 12840,15080 12840,15100 ; 12254.14,12834.14 cw(c12220,12868.28) 12220,12820 ccw(c12220,12868.28) 12254.14,12834.14 ; 12254.14,12834.14 ccw(c12288.28,12800) 12240,12800 cw(c12288.28,12800) 12254.14,12834.14 ; 12271.21,12851.21 cw(c12220,12902.43) 12220,12830 ccw(c12220,12902.43) 12271.21,12851.21 ; 12271.21,12851.21 ccw(c12322.43,12800) 12250,12800 cw(c12322.43,12800) 12271.21,12851.21
  Bottom Layer w20: 12445,12855 12905,13315 12905,14810 12815,14900 12695,14900 12645,14950 12645,15095 12695,15145 12795,15145 12840,15100 ; 12795.25,15144.75 cw(c12735.5,15085) 12820,15085 ccw(c12735.5,15085) 12795.25,15144.75
"FSMC NWE": "TFT 2.8'.3" P1.17 U1.119 | length 4174.8
  Top Layer w10: P1.17@12320,12800 12390,12800 ; U1.119@13126.59,12975.38 13037.21,12886 12476,12886 12390,12800 ; 12366.66,12800 cw(c12366.66,12844.44) 12334.48,12813.79 ccw(c12366.66,12844.44) 12366.66,12800 ; 12366.66,12800 ccw(c12366.66,12755.56) 12334.48,12786.21 cw(c12366.66,12755.56) 12366.66,12800 ; 12390,12800 cw(c12390,12866.66) 12341.72,12820.69 ccw(c12390,12866.66) 12390,12800 ; 12390,12800 ccw(c12390,12733.34) 12341.72,12779.31 cw(c12390,12733.34) 12390,12800
  Bottom Layer w20: P1.17@12320,12800 12490,12800 12960,13270 12960,14860 12840,14980 ; 12380.36,12800 cw(c12380.36,12860.36) 12337.68,12817.68 ccw(c12380.36,12860.36) 12380.36,12800 ; 12380.36,12800 ccw(c12380.36,12739.64) 12337.68,12782.32 cw(c12380.36,12739.64) 12380.36,12800 ; 12840,14955 cw(c12840,14894.64) 12882.68,14937.32 ccw(c12840,14894.64) 12840,14955 ; 12860,14975 ccw(c12896.21,14975) 12870.61,14949.39 cw(c12896.21,14975) 12860,14975